# Altium PCB COPY_HIVE_BOARD.PcbDoc (part 7 of 9)
Units mm, origin at the board's own origin, x right, y up, seen from the top; angles counter-clockwise.
Board outline 110 x 110 mm, 8 copper layers (Top, GND_1, Signal_1, GND_2, PWR, Signal_2, GND_3, Bottom), stack 1.6 mm thick; 674 components, 473 nets, 2528 pads, 2100 vias.
Unrouted connection lines stored in the file: 14.
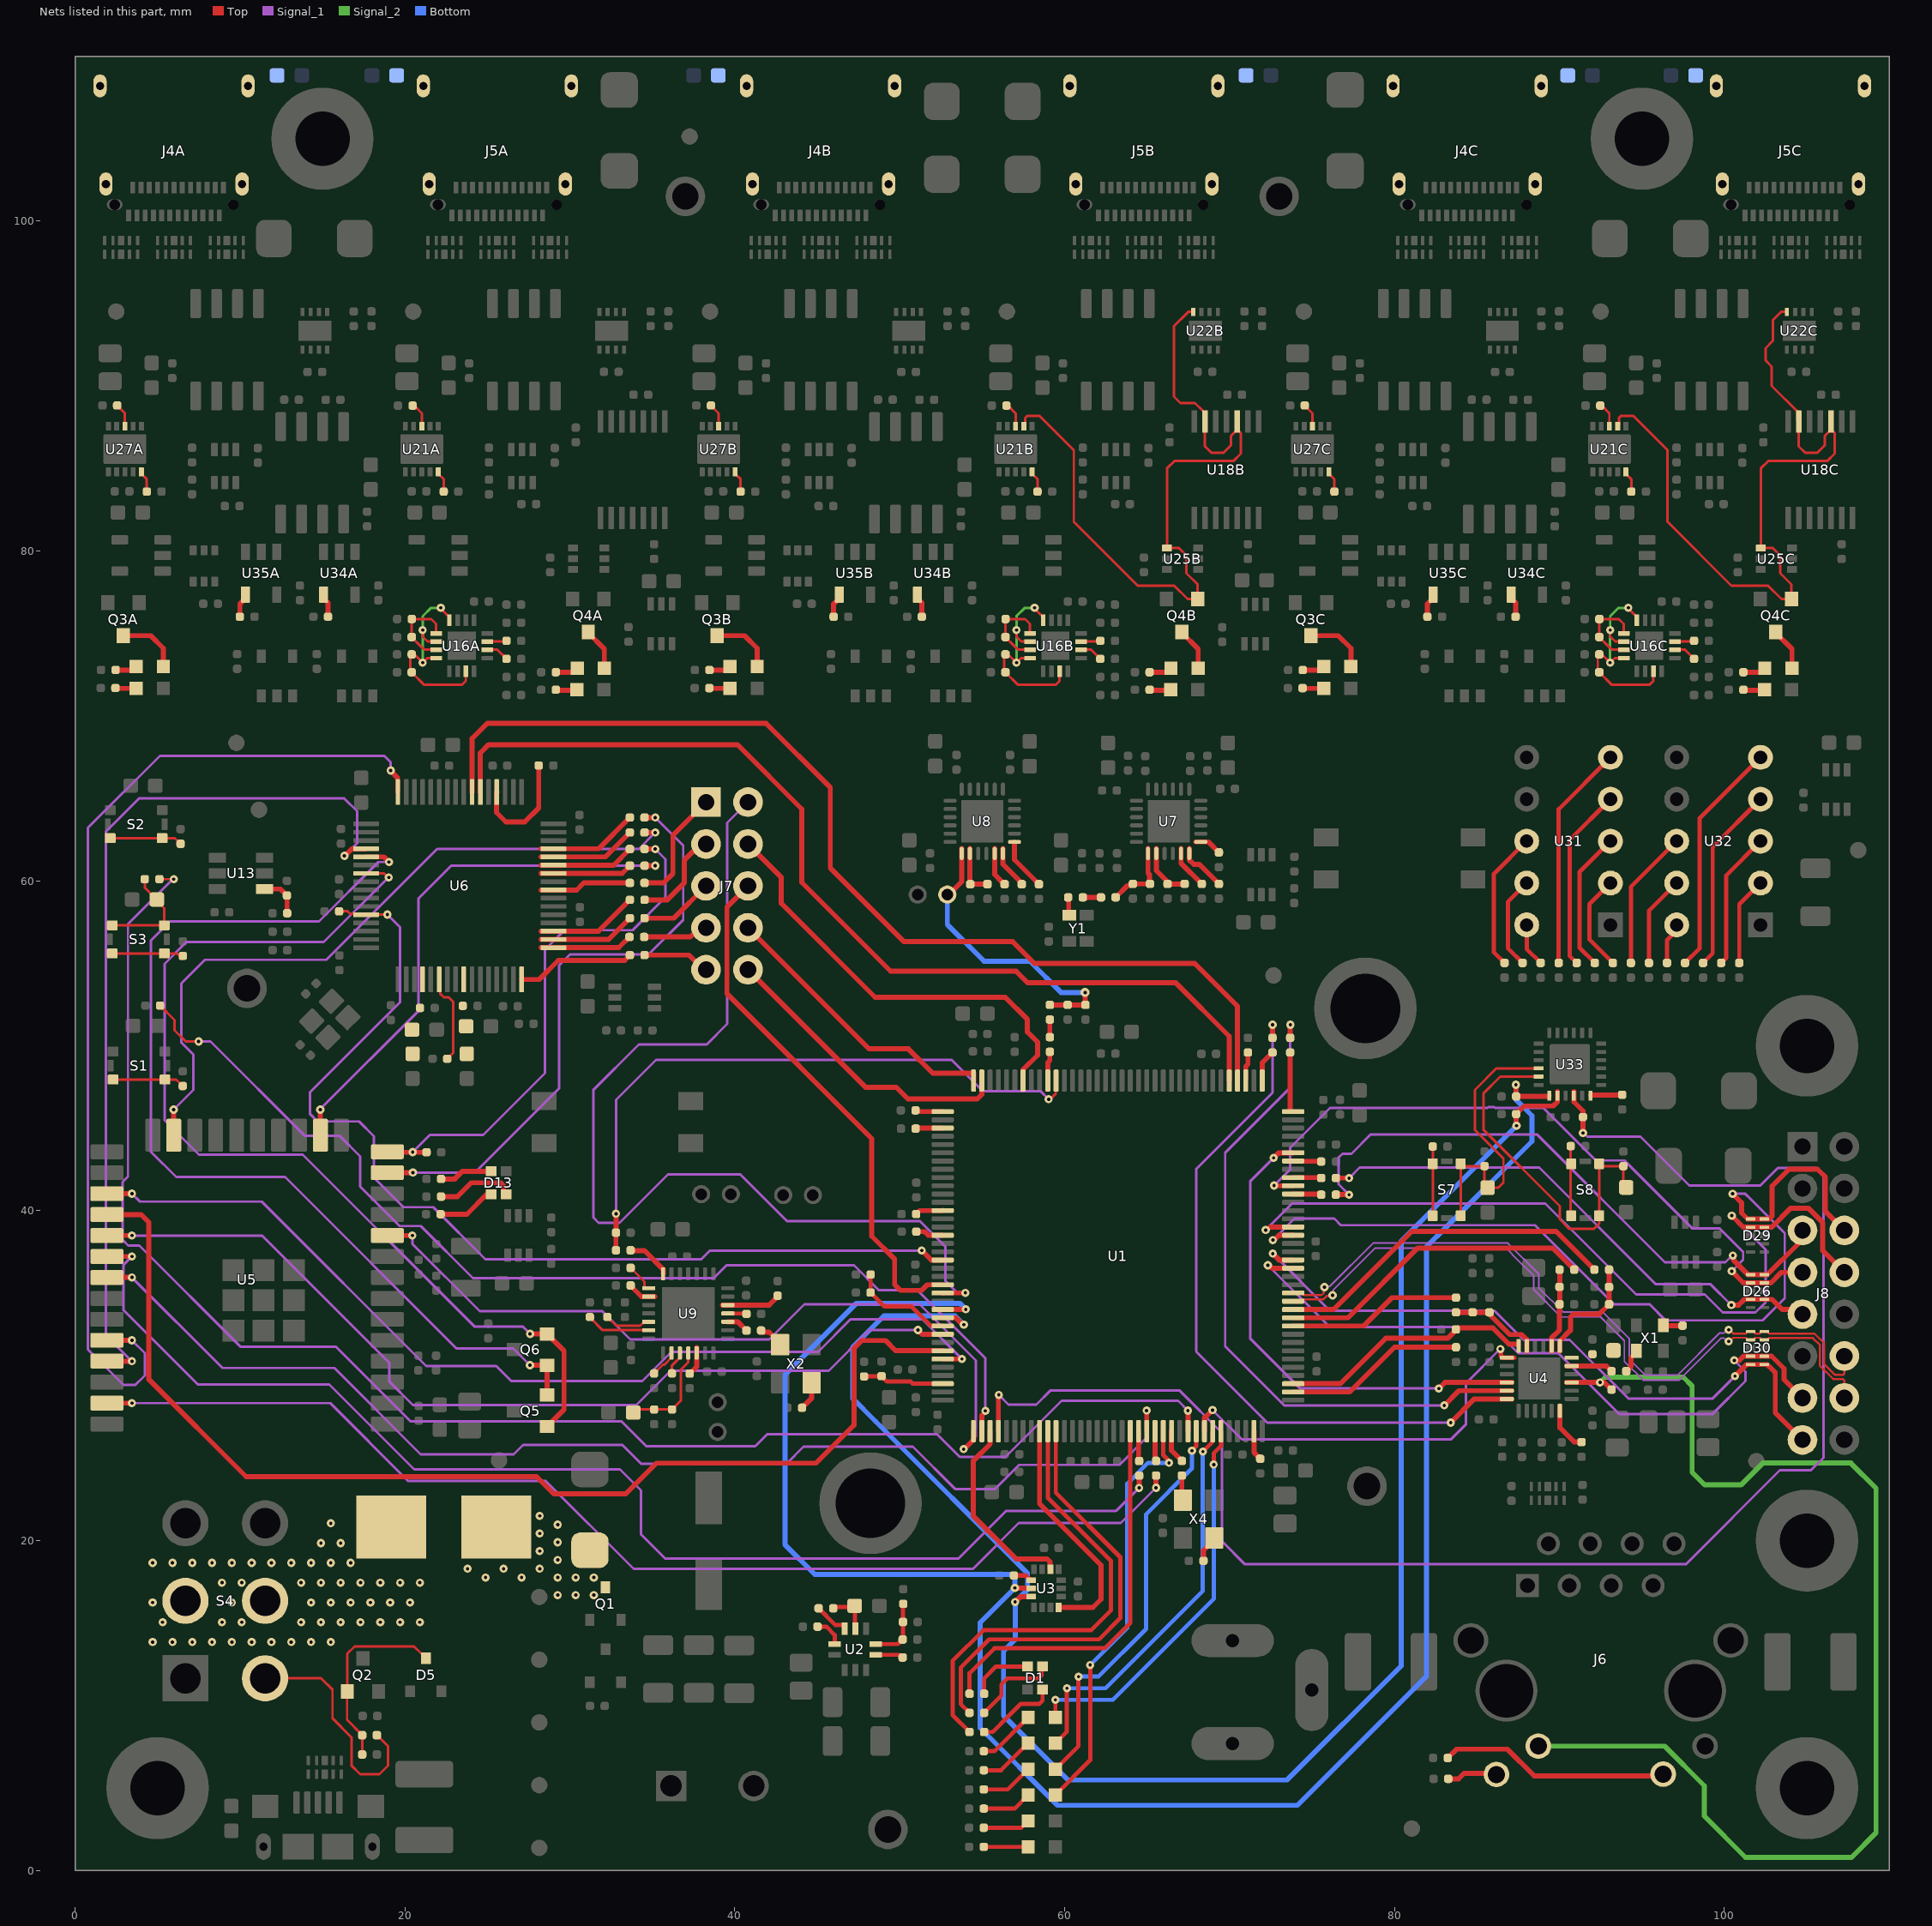
[diagram p13: the nets of this part, all layers, seen from the top]

## Via types
v1: diameter 0.5, hole 0.2, Top to Bottom, tented both sides, 1950 vias
v2: diameter 0.55, hole 0.2, Top to Bottom, tented both sides, 104 vias
v3: diameter 0.5, hole 0.2, Top to Bottom, 41 vias
v4: diameter 0.5, hole 0.2, Top to Bottom, tented bottom, 5 vias

## Nets (pads, with @x,y where several pads share a name; then routed paths per layer and width w, separated by ;. In a path a pad name is that pad's centre, name@x,y a point inside that pad or via, vN(x,y) a via of type N, cw(c..) or ccw(c..) an arc to the next point about the centre after c; other vN are vias at no path point) (continued)
HW_EN_1B: Q4B.1 U18B.10 U18B.13 U21B.7 U22B.8 U25B.4 | length 47.3
  Top w0.152: U21B.7@57.523,87.567 57.596,87.641 57.596,88.056 57.723,88.182 58.49,88.182 60.554,86.118 60.554,81.772 64.424,77.903 66.642,77.903 67.453,77.091 Q4B.1@68.062,77.091 68.062,77.968 67.376,78.654 67.376,79.732 66.927,80.18 U25B.4@66.2,80.18 66.2,85.008 66.647,85.454 70.223,85.454 70.675,85.907 70.675,87.162 70.586,87.251 70.554,87.251 U18B.10@70.455,87.35 ; U22B.8@67.786,94.501 67.494,94.501 66.63,93.637 66.63,89.36 67.014,88.976 67.437,88.976 67.902,88.976 68.406,88.473 68.406,87.949 U18B.13@68.505,87.85 68.505,86.342 68.883,85.963 69.635,85.963 70.084,86.412 70.084,86.979 U18B.10@70.455,87.35 ; U18B.10@70.455,87.85 U18B.10@70.455,87.35
HW_EN_1C: Q4C.1 U18C.10 U18C.13 U21C.7 U22C.8 U25C.4 | length 46.9
  Top w0.152: U21C.7@93.523,87.567 93.596,87.641 93.596,88.056 93.723,88.182 94.49,88.182 96.554,86.118 96.554,81.772 100.424,77.903 102.642,77.903 103.453,77.091 Q4C.1@104.062,77.091 104.062,77.968 103.376,78.654 103.376,79.732 102.927,80.18 U25C.4@102.2,80.18 102.2,85.008 102.647,85.454 106.223,85.454 106.675,85.907 106.675,87.162 106.586,87.251 106.554,87.251 U18C.10@106.455,87.35 ; U22C.8@103.786,94.501 103.436,94.501 102.929,93.993 102.929,92.734 102.493,92.297 102.493,91.552 102.863,91.182 102.863,90.015 104.406,88.473 104.406,87.949 U18C.13@104.505,87.85 104.505,86.342 104.883,85.963 105.635,85.963 106.084,86.412 106.084,86.979 U18C.10@106.455,87.35 ; U18C.10@106.455,87.85 U18C.10@106.455,87.35
I2C_MISC_SCL: R27.2 U1.133 U3.13 U33.19 | length 124.4
  Top w0.305: U1.133@52.601,34.014 52.604,34.017 53.995,34.017 v1(54.003,34.025) ; v1(56.978,17.132) 56.99,17.12 57.96,17.12 U3.13@57.972,17.109 ; R27.2@87.371,46.934 R27.2@87.375,46.934 ; v1@87.375,47.729 R27.2@87.375,46.934 ; U33.19@89.374,46.986 89.374,46.966 89.342,46.934 R27.2@87.375,46.934
  Bottom w0.305: v1(54.003,34.025) 53.637,34.391 47.375,34.391 43.038,30.054 43.038,19.765 44.855,17.948 56.8,17.948 56.978,17.77 v1(56.978,17.132) 54.876,15.029 54.876,8.645 59.564,3.957 74.115,3.957 81.927,11.769 81.927,37.809 83.148,39.03 88.328,44.21 88.328,45.767 87.355,46.74 v1(87.355,47.636)
I2C_MISC_SDA: R28.2 U1.134 U3.14 U33.20 | length 106.1
  Top w0.305: U1.134@52.601,33.514 52.604,33.512 53.406,33.512 53.821,33.097 v1(53.888,33.097) ; v1(56.997,16.281) 57.325,16.609 U3.14@57.972,16.609 ; v1@87.371,45.066 R28.2@87.371,45.861 87.861,46.351 89.624,46.351 89.874,46.601 U33.20@89.874,46.986 U33.20@89.874,47.238
  Bottom w0.305: v1(53.888,33.097) 53.356,33.628 49.038,33.628 48.178,32.768 47.149,31.738 47.149,28.618 48.535,27.231 57.743,18.024 57.743,17.028 v1(56.997,16.281) 56.997,13.999 56.293,13.295 56.293,9.392 60.198,5.487 73.481,5.487 80.397,12.403 80.397,38.164 v1(87.391,45.158)
IMU_I2C_EN: R131.2 U3.12 | length 1.2
  Top w0.305: R131.2@56.92,17.885 57.631,17.885 57.836,17.68 57.836,17.632 57.859,17.609 U3.12@57.972,17.609
IMU_INT1: U1.9 U3.4 | length 14.5
  Top w0.305: U1.9@58.476,26.639 58.476,22.24 62.203,18.513 62.203,16.442 61.707,15.946 U3.4@59.634,15.946
IMU_INT2: U1.3 U3.9 | length 11.8
  Top w0.305: U1.3@55.476,26.639 55.474,26.637 55.474,25.85 54.45,24.826 54.45,21.5 57.053,18.898 58.933,18.898 59.111,18.719 59.111,18.294 U3.9@59.134,18.272
IO_EXP_BTN0: C143.1 R114.1 S7.3 S7.4 U33.16 | length 17.9
  Top w0.152: S7.3@84.01,39.705 S7.4@84.01,42.855 84.159,42.706 R114.1@85.452,42.706 85.452,41.584 C143.1@85.637,41.398 86.289,41.398 86.602,41.712 86.602,43.166 84.874,44.895 84.874,47.331 86.178,48.636 U33.16@88.724,48.636
IO_EXP_BTN1: C144.1 R121.1 S8.3 S8.4 U33.17 | length 22.6
  Top w0.152: U33.17@88.724,48.136 86.413,48.136 85.381,47.104 85.381,44.918 90.016,40.284 90.016,39.471 90.591,38.896 92.072,38.896 92.407,39.232 S8.3@92.407,39.699 S8.4@92.407,42.849 92.552,42.705 R121.1@93.872,42.705 93.872,41.585 C144.1@94.041,41.416
IO_EXP_INT#: R134.1 U1.4 U33.22 | length 100.1
  Top w0.305: U1.4@55.976,26.639 55.979,26.642 55.979,28.816 v1(56.002,28.839) ; U33.22@90.874,47.238 U33.22@90.874,46.986 90.874,46.599 91.42,46.054 R134.1@91.42,45.681 R134.1@91.42,45.516 ; R134.1@91.422,45.514 91.422,44.72 v1(91.424,44.718)
  Signal_1 w0.152: v1(56.002,28.839) 56.597,28.244 58.28,28.244 59.15,29.114 66.949,29.114 69.532,26.531 69.532,19.966 70.931,18.567 97.655,18.567 103.356,24.268 105.239,24.268 106.001,25.03 106.001,42.162 105.56,42.602 103.243,42.602 102.171,41.53 97.868,41.53 94.901,44.496 91.687,44.496 91.465,44.718 v1(91.424,44.718)
MCU_LED_0: D22.K U1.30 | length 24.2
  Top w0.254: D22.K@59.433,7.719 60.133,8.419 v1@60.133,11.054 ; v1(68.377,25.4) 68.953,25.976 68.953,26.616 U1.30@68.976,26.639
  Bottom w0.254: v1(60.139,11.054) 62.478,11.054 68.356,16.932 68.356,25.379 v1(68.377,25.4)
MCU_LED_1: D23.K U1.28 | length 24.7
  Top w0.254: D23.K@59.433,6.148 60.836,7.551 v1@60.836,11.757 ; v1(67.716,25.451) 67.716,25.457 67.972,25.713 67.972,26.635 U1.28@67.976,26.639
  Bottom w0.254: v1(60.842,11.757) 62.044,11.757 64.937,14.65 64.937,21.601 67.716,24.381 v1(67.716,25.451)
MCU_LED_2: D24.K U1.24 | length 25.8
  Top w0.254: D24.K@59.433,4.577 61.552,6.696 v1@61.552,12.46 ; v1@61.528,12.454 v1@61.541,12.467 ; U1.24@65.976,26.639 65.976,25.184 66.268,24.893 66.268,24.776 v1(66.324,24.719)
  Bottom w0.254: v1(61.545,12.46) 63.795,14.71 63.795,23.457 65.058,24.719 v1(66.324,24.719)
MCU_LED_B: R1.2 U1.10 | length 28
  Top w0.254: R1.2@54.23,8.399 53.202,9.427 53.202,12.707 55.063,14.567 61.598,14.567 62.795,15.765 62.795,18.784 58.979,22.601 58.979,26.637 U1.10@58.976,26.639
MCU_LED_G: R2.2 U1.11 | length 26.8
  Top w0.254: R2.2@54.23,9.56 53.696,10.094 53.696,12.293 55.419,14.016 62.079,14.016 63.373,15.31 63.373,18.992 59.461,22.904 59.461,26.625 U1.11@59.476,26.639
MCU_LED_HB: D25.K U1.31 | length 23.6
  Top w0.254: D25.K@59.436,9.289 v1(59.436,10.351) ; v1(69.037,24.613) 69.037,25.294 69.476,25.733 U1.31@69.476,26.639
  Bottom w0.254: v1(59.436,10.351) 62.926,10.351 69.037,16.462 v1(69.037,24.613)
MCU_LED_R: R3.2 U1.20 | length 23.9
  Top w0.254: R3.2@54.23,10.721 54.23,11.966 55.737,13.473 62.433,13.473 63.976,15.016 U1.20@63.976,26.639
MCU_OSC_EN: R64.2 X4.1 | length 1.7
  Top w0.305: R64.2@68.414,18.776 68.414,19.41 68.666,19.662 69.063,20.06 X4.1@69.063,20.16
MCU_RST#: R8.2 U1.27 | length 97.5
  Top w0.152: R8.2@5.105,60.105 R8.2@5.114,60.105 v1@5.979,60.105
  Top w0.305: U1.27@67.476,26.639 v1@67.476,27.879
  Signal_1 w0.152: v1@5.923,60.105 3.209,57.391 3.209,42.073 2.895,41.758 2.895,38.212 3.217,37.89 3.901,37.89 10.023,31.767 15.805,31.767 20.347,27.226 33.142,27.226 34.637,25.731 41.236,25.731 41.948,26.442 52.269,26.442 53.641,25.07 56.407,25.07 59.815,28.478 66.877,28.478 v1(67.469,27.886)
  other v1: 5.983,60.101
MEZ_ADC1_N: D30.2 D30.9 J8.14 U1.49 | length 43.8
  Top w0.127: U1.49@73.851,34.514 74.382,34.514 74.505,34.637 75.688,34.637 75.881,34.831 76.198,34.831 v1(76.242,34.875) ; v1(100.253,32.078) 100.314,32.078 100.539,32.303 101.289,32.303 101.363,32.228 101.363,32.216 101.4,32.18 D30.2@101.582,32.18 101.765,32.18 101.802,32.216 101.802,32.228 101.876,32.303 102.124,32.303 102.198,32.228 102.198,32.216 102.235,32.18 D30.9@102.417,32.18 102.6,32.18 102.706,32.286 105.361,32.286 105.795,31.851 105.795,30.594 106.597,29.793 107.196,29.793 107.27,29.719 J8.14@107.27,28.65
  Signal_1 w0.102: v1(76.242,34.875) 76.302,34.935 76.302,35.216 78.827,37.741 86.745,37.741 87.493,36.993 88.437,36.049 88.437,35.213 90.087,33.563 92.489,33.563 93.007,33.045 93.931,32.121 93.931,30.87 95.071,29.73 97.269,29.73 99.816,32.277 99.969,32.277 100.168,32.078 v1(100.253,32.078)
MEZ_ADC1_P: D30.1 D30.10 J8.12 U1.50 | length 43.8
  Top w0.127: U1.50@73.851,35.014 74.382,35.014 74.505,34.891 75.582,34.891 75.702,35.011 75.702,35.328 v1(75.745,35.371) ; v1(100.253,32.781) 100.314,32.781 100.539,32.557 101.289,32.557 101.363,32.631 101.363,32.643 101.4,32.68 D30.1@101.582,32.68 101.765,32.68 101.802,32.643 101.802,32.631 101.876,32.557 102.124,32.557 102.198,32.631 102.198,32.643 102.235,32.68 D30.10@102.417,32.68 102.6,32.68 102.637,32.643 102.637,32.631 102.711,32.557 105.449,32.557 106.049,31.956 106.049,30.7 106.702,30.047 107.196,30.047 107.27,30.121 J8.12@107.27,31.19
  Signal_1 w0.102: v1(75.745,35.371) 75.805,35.431 76.086,35.431 78.701,38.046 86.871,38.046 88.741,36.176 88.741,35.34 90.213,33.868 92.616,33.868 93.438,33.045 94.236,32.247 94.236,30.996 95.197,30.035 97.143,30.035 99.689,32.582 99.969,32.582 100.168,32.781 v1(100.253,32.781)
MEZ_I2C_SCL: D30.4 D30.7 J8.13 U1.53 | length 42.3
  Top w0.305: v1(72.319,36.698) 72.385,36.698 72.569,36.514 U1.53@73.851,36.514 ; v1(100.592,30.931) 100.915,30.931 101.163,31.18 D30.4@101.582,31.18 D30.7@102.417,31.18 102.856,31.18 103.61,30.426 103.61,29.77 J8.13@104.73,28.65
  Signal_1 w0.152: v1(72.319,36.698) 76.069,32.949 85.908,32.949 87.497,31.36 89.934,31.36 93.628,27.666 99.265,27.666 101.272,29.674 101.272,30.251 v1(100.592,30.931)
MEZ_I2C_SDA: D30.5 D30.6 J8.15 U1.54 | length 41.3
  Top w0.305: v1(72.612,37.406) 73.001,37.017 73.849,37.017 U1.54@73.851,37.014 ; v1(100.64,29.978) 101.342,30.68 D30.5@101.582,30.68 D30.6@102.417,30.68 102.594,30.68 102.895,30.378 103.085,30.189 103.085,27.755 J8.15@104.73,26.11
  Signal_1 w0.152: v1(72.612,37.406) 76.071,33.947 86.051,33.947 87.819,32.179 90.622,32.179 94.201,28.601 99.263,28.601 v1(100.64,29.978)
MEZ_SPI_MISO: D26.2 D26.9 J8.7 U1.63 | length 42.3
  Top w0.305: v1(72.693,41.532) 72.708,41.517 73.849,41.517 U1.63@73.851,41.514 ; v1(100.44,36.339) 101.147,35.632 D26.2@101.582,35.632 D26.9@102.417,35.632 102.815,35.632 103.453,36.27 J8.7@104.73,36.27
  Signal_1 w0.152: v1(72.693,41.532) 73.662,42.502 73.662,43.821 75.146,45.304 76.08,46.239 85.622,46.239 85.678,46.295 86.032,46.295 86.088,46.239 89.018,46.239 92.205,43.051 93.927,43.051 98.039,38.939 99.694,38.939 101.133,37.5 101.133,37.031 v1(100.44,36.339)
MEZ_SPI_MOSI: D26.4 D26.7 J8.9 R173.2 | length 32.5
  Top w0.305: R173.2@76.441,41.986 v1@77.236,41.986 ; v1(100.416,34.284) 100.863,34.284 101.211,34.632 D26.4@101.582,34.632 D26.7@102.417,34.632 102.889,34.632 103.504,34.016 104.444,34.016 J8.9@104.73,33.73
  Signal_1 w0.152: v1(77.245,41.978) 77.885,42.618 88.766,42.618 95.84,35.544 99.156,35.544 v1(100.416,34.284)
MEZ_SPI_SCK: D26.1 D26.10 J8.5 R172.2 | length 37.4
  Top w0.305: R172.2@76.441,40.98 v1@77.236,40.98 ; v1(100.508,37.287) 100.555,37.24 100.555,37 101.423,36.132 D26.1@101.582,36.132 D26.10@102.417,36.132 102.603,36.132 104.444,37.972 104.444,38.524 J8.5@104.73,38.81
  Signal_1 w0.152: v1(77.245,40.971) 76.611,41.605 76.611,43.228 76.838,43.456 77.386,43.456 78.562,44.632 88.631,44.632 96.383,36.879 100.057,36.879 100.464,37.287 v1(100.508,37.287)
MEZ_UART_Rx: D29.1 D29.10 J8.6 U1.57 | length 57
  Top w0.305: v1(72.622,38.221) 72.688,38.221 72.979,38.512 73.849,38.512 U1.57@73.851,38.514 ; v1(100.498,41.028) 101.045,40.482 101.045,39.865 101.409,39.5 D29.1@101.582,39.5 D29.10@102.417,39.5 102.711,39.5 102.89,39.679 102.89,41.497 103.913,42.52 105.643,42.52 106.116,42.047 106.116,39.964 J8.6@107.27,38.81
  Signal_1 w0.152: v1(72.622,38.221) 73.923,39.522 76.341,39.522 76.736,39.127 88.514,39.127 93.3,34.341 95.446,34.341 96.432,33.355 102.313,33.355 103.563,34.605 103.652,34.694 103.652,38.638 101.556,40.734 101.262,41.028 v1(100.498,41.028)
MEZ_UART_Tx: D29.2 D29.9 J8.8 U1.58 | length 52
  Top w0.305: v1(72.185,38.835) 72.252,38.835 72.431,39.014 U1.58@73.851,39.014 ; v1(100.44,39.707) 101.147,39 D29.2@101.582,39 D29.9@102.417,39 102.856,39 104.015,40.16 105.076,40.16 105.961,39.275 105.961,37.579 J8.8@107.27,36.27
  Signal_1 w0.152: v1(72.185,38.835) 73.784,40.433 89.137,40.433 94.645,34.925 98.804,34.925 99.899,33.831 101.876,33.831 102.498,34.452 102.498,37.65 v1(100.44,39.707)
MODE0: R18.1 R53.1 R157.2 U4.8 | length 5.1
  Top w0.305: U4.8@89.519,31.496 89.519,32.293 89.999,32.773 R53.1@89.999,34.33 ; R53.1@90.013,34.33 90.013,35.384 R18.1@90.013,36.431
MODE1: R19.1 R58.1 R158.2 U4.7 | length 7.1
  Top w0.305: U4.7@90.019,31.496 90.019,32.107 90.663,32.751 90.663,33.553 90.841,33.731 92.403,33.731 92.901,34.229 92.905,34.229 R58.1@93.006,34.33 R158.2@93.004,35.379 93.004,36.429 R19.1@93.002,36.431
MODE2: R47.1 R60.1 R159.2 U4.11 | length 5.7
  Top w0.305: R47.1@83.721,33.845 R47.1@83.721,33.845 R159.2@85.752,33.843 R159.2@85.752,33.843 85.854,33.741 85.854,33.628 86.983,32.499 87.709,32.499 88.017,32.191 88.017,31.812 U4.11@88.019,31.809 U4.11@88.019,31.496
NetC4_1: C4.1 R8.1 S3.3 S3.4 | length 6.3
  Top w0.152: S3.4@2.258,57.305 S3.3@5.408,57.305 5.408,58.343 C4.1@4.992,58.759 ; R8.1@4.225,60.105 4.225,59.592 4.946,58.871 C4.1@4.959,58.871
NetC26_1: C26.1 R15.1 R26.2 U2.7 | length 3.9
  Top w0.254: U2.7@48.554,13.731 49.885,13.731 50.162,14.008 R15.1@50.176,14.008 50.194,14.026 50.194,16.152 R26.2@50.212,16.17
NetC37_1: C37.1 R24.2 U2.9 | length 2.8
  Top w0.254: R24.2@45.968,15.9 46.044,15.976 47.187,15.976 C37.1@47.263,16.052 47.283,16.032 47.283,14.676 U2.9@47.304,14.656
NetC47_2: C47.2 U9.9 | length 1.8
  Top w0.305: C47.2@33.623,35.473 33.724,35.372 33.767,35.372 34.341,34.798 U9.9@35.155,34.798
NetC48_2: C48.2 U9.25 | length 1.1
  Top w0.254: U9.25@39.579,33.778 39.85,33.778 39.855,33.773 40.68,33.773 C48.2@40.707,33.746
NetC54_2: C54.2 C56.2 U4.6
NetC80_1: C80.1 C81.2 L4.2 U6.4
NetC82_1: C82.1 C83.2 L6.2 U6.9
NetC86_1: C86.1 R7.2 R20.1 U9.18 | length 6.3
  Top w0.152: C86.1@33.844,27.765 34.032,27.952 R7.2@36.191,27.952 36.735,28.496 36.735,30.369 37.179,30.813 U9.18@37.179,31.377
NetC94_1: C94.1 R81.1 R84.2 U7.7 | length 4.5
  Top w0.305: C94.1@63.039,59.029 C94.1@63.09,58.978 ; C94.1@63.09,59.003 63.802,59.715 64.033,59.715 R81.1@64.135,59.817 R81.1@64.135,59.817 R84.2@65.171,59.819 ; U7.7@65.054,61.965 U7.7@65.054,61.663 65.054,60.473 65.136,60.391 R84.2@65.136,59.993
NetC94_2: C94.2 R82.1 | length 1.1
  Top w0.305: R82.1@61.099,59.003 61.112,58.991 62.188,58.991 C94.2@62.201,58.978
NetD1_1: D1.1 R1.1 | length 5
  Top w0.254: R1.1@55.119,8.399 55.633,8.399 56.556,9.322 57.345,10.111 58.477,10.111 58.656,10.289 D1.1@58.656,10.973
NetD1_2: D1.2 R2.1 | length 5.4
  Top w0.254: R2.1@55.119,9.56 56.159,10.6 56.159,11.287 56.52,11.648 58.409,11.648 58.583,11.822 58.583,12.301 D1.2@58.656,12.373
NetD1_4: D1.4 R3.1 | length 3.9
  Top w0.254: R3.1@55.119,10.721 55.119,11.657 55.836,12.373 D1.4@57.756,12.373
NetD3_1: D3.1 F1.2 Q1.3
  other v1: 29.263,16.697 30.356,16.697 31.45,16.697 24.888,17.765 27.076,17.765 29.263,17.765 30.356,17.765 31.45,17.765 23.795,18.299 25.982,18.299 28.169,18.299 29.263,18.833 28.169,19.367 29.263,19.9 28.169,20.434 29.263,20.968 28.169,21.502
NetD4_A: D4.A R11.2 | length 2.7
  Top w0.254: R11.2@55.095,1.435 D4.A@57.783,1.435
NetD5_3: D5.3 Q2.1 R13.1 R14.2 | length 11.7
  Top w0.152: R14.2@17.405,7.143 17.406,7.144 17.406,8.218 17.407,8.219 16.491,9.135 16.491,10.848 Q2.1@16.505,10.861 16.505,13.152 16.942,13.589 20.551,13.589 20.999,13.142 21.049,13.142 21.272,12.918 D5.3@21.272,12.868
NetD6_A: D6.A R25.1 | length 2.9
  Top w0.254: R25.1@55.093,2.596 57.372,2.596 D6.A@57.783,3.006
NetD13_1: D13.1 R40.1 | length 3
  Top w0.305: R40.1@22.192,41.928 23.023,41.928 23.49,42.395 D13.1@24.982,42.395
NetD13_2: D13.2 R46.1 | length 3.3
  Top w0.305: R46.1@22.166,39.792 23.754,39.792 24.957,40.995 D13.2@24.982,40.995
NetD13_4: D13.4 R63.1 | length 4.8
  Top w0.305: R63.1@22.192,40.86 23.183,40.86 24.022,41.699 25.803,41.699 25.981,41.521 25.981,41.154 D13.4@26.129,41.007
NetD14A_A: D14A.A R115A.1 | length 1.4
  Top w0.305: R115A.1@2.351,71.674 3.697,71.674 D14A.A@3.705,71.666 ; R115A.1@2.447,71.697 R115A.1@2.455,71.689
NetD14B_A: D14B.A R115B.1 | length 1.4
  Top w0.305: R115B.1@38.351,71.674 39.697,71.674 D14B.A@39.705,71.666 ; R115B.1@38.453,71.689 R115B.1@38.461,71.681
NetD14C_A: D14C.A R115C.1 | length 1.4
  Top w0.305: R115C.1@74.351,71.674 75.697,71.674 D14C.A@75.705,71.666 ; R115C.1@74.421,71.688 R115C.1@74.428,71.68
NetD17A_A: D17A.A R77A.1 | length 1.4
  Top w0.305: R77A.1@2.356,72.778 3.484,72.778 D17A.A@3.705,73
NetD17A_K: D17A.K Q3A.3 | length 3.8
  Top w0.305: Q3A.3@2.933,74.87 4.585,74.87 5.355,74.1 D17A.K@5.355,73
NetD17B_A: D17B.A R77B.1 | length 1.4
  Top w0.305: R77B.1@38.356,72.778 39.484,72.778 D17B.A@39.705,73
NetD17B_K: D17B.K Q3B.3 | length 3.8
  Top w0.305: Q3B.3@38.933,74.87 40.585,74.87 41.355,74.1 D17B.K@41.355,73
NetD17C_A: D17C.A R77C.1 | length 1.4
  Top w0.305: R77C.1@74.356,72.778 75.484,72.778 D17C.A@75.705,73
NetD17C_K: D17C.K Q3C.3 | length 3.8
  Top w0.305: Q3C.3@74.933,74.87 76.585,74.87 77.355,74.1 D17C.K@77.355,73
NetD19A_A: D19A.A R110A.1 | length 1.4
  Top w0.305: R110A.1@29.148,72.651 30.276,72.651 D19A.A@30.497,72.873
NetD19A_K: D19A.K Q4A.3 | length 2.6
  Top w0.305: Q4A.3@31.112,75.091 31.112,75.041 32.092,74.061 D19A.K@32.092,72.898
NetD19B_A: D19B.A R110B.1 | length 1.4
  Top w0.305: R110B.1@65.148,72.651 66.276,72.651 D19B.A@66.497,72.873
NetD19B_K: D19B.K Q4B.3 | length 2.6
  Top w0.305: Q4B.3@67.112,75.091 67.112,75.041 68.092,74.061 D19B.K@68.092,72.898
NetD19C_A: D19C.A R110C.1 | length 1.4
  Top w0.305: R110C.1@101.148,72.651 102.276,72.651 D19C.A@102.497,72.873
NetD19C_K: D19C.K Q4C.3 | length 2.6
  Top w0.305: Q4C.3@103.112,75.091 103.112,75.041 104.092,74.061 D19C.K@104.092,72.898
NetD20A_A: D20A.A R123A.1 | length 1.4
  Top w0.305: R123A.1@29.135,71.555 29.143,71.547 30.489,71.547 D20A.A@30.497,71.539
NetD20B_A: D20B.A R123B.1 | length 1.4
  Top w0.305: R123B.1@65.135,71.555 65.143,71.547 66.489,71.547 D20B.A@66.497,71.539
NetD20C_A: D20C.A R123C.1 | length 1.4
  Top w0.305: R123C.1@101.135,71.555 101.143,71.547 102.489,71.547 D20C.A@102.497,71.539
NetD22_A: D22.A R5.2 | length 3.4
  Top w0.254: R5.2@55.095,6.078 56.142,6.078 D22.A@57.783,7.719
NetD23_A: D23.A R23.2 | length 3.2
  Top w0.254: R23.2@55.095,4.917 56.552,4.917 D23.A@57.783,6.148
NetD24_A: D24.A R33.2 | length 3
  Top w0.254: R33.2@55.095,3.757 56.962,3.757 D24.A@57.783,4.577
NetD25_A: D25.A R129.2 | length 3.5
  Top w0.254: R129.2@55.095,7.239 55.736,7.239 D25.A@57.786,9.289
NetF1_1: F1.1 S4.2 S4.5
  other v1: 4.706,13.852 5.906,13.852 7.106,13.852 8.306,13.852 9.506,13.852 10.706,13.852 11.906,13.852 13.106,13.852 14.306,13.852 15.506,13.852 5.306,15.052 8.906,15.052 10.106,15.052 13.706,15.052 14.906,15.052 16.106,15.052 17.306,15.052 18.506,15.052 19.706,15.052 20.906,15.052 4.706,16.252 9.506,16.252 14.306,16.252 15.506,16.252 16.706,16.252 17.906,16.252 19.106,16.252 20.306,16.252 8.906,17.452 10.106,17.452 13.706,17.452 14.906,17.452 16.106,17.452 17.306,17.452 18.506,17.452 19.706,17.452 20.906,17.452 4.706,18.652 5.906,18.652 7.106,18.652 8.306,18.652 9.506,18.652 10.706,18.652 11.906,18.652 13.106,18.652 14.306,18.652 15.506,18.652 16.706,18.652 14.906,19.852 16.106,19.852 15.506,21.052